# Altium PCB PV Refridgerator v0.1.0.PCBDOC (part 1 of 2)
Units mil, origin at the board's own origin, x right, y up, seen from the top; angles counter-clockwise.
Board outline 6000 x 6000 mil, 2 copper layers (Top Layer, Bottom Layer); 137 components, 98 nets, 385 pads, 105 vias.
Unrouted connection lines stored in the file: 4.
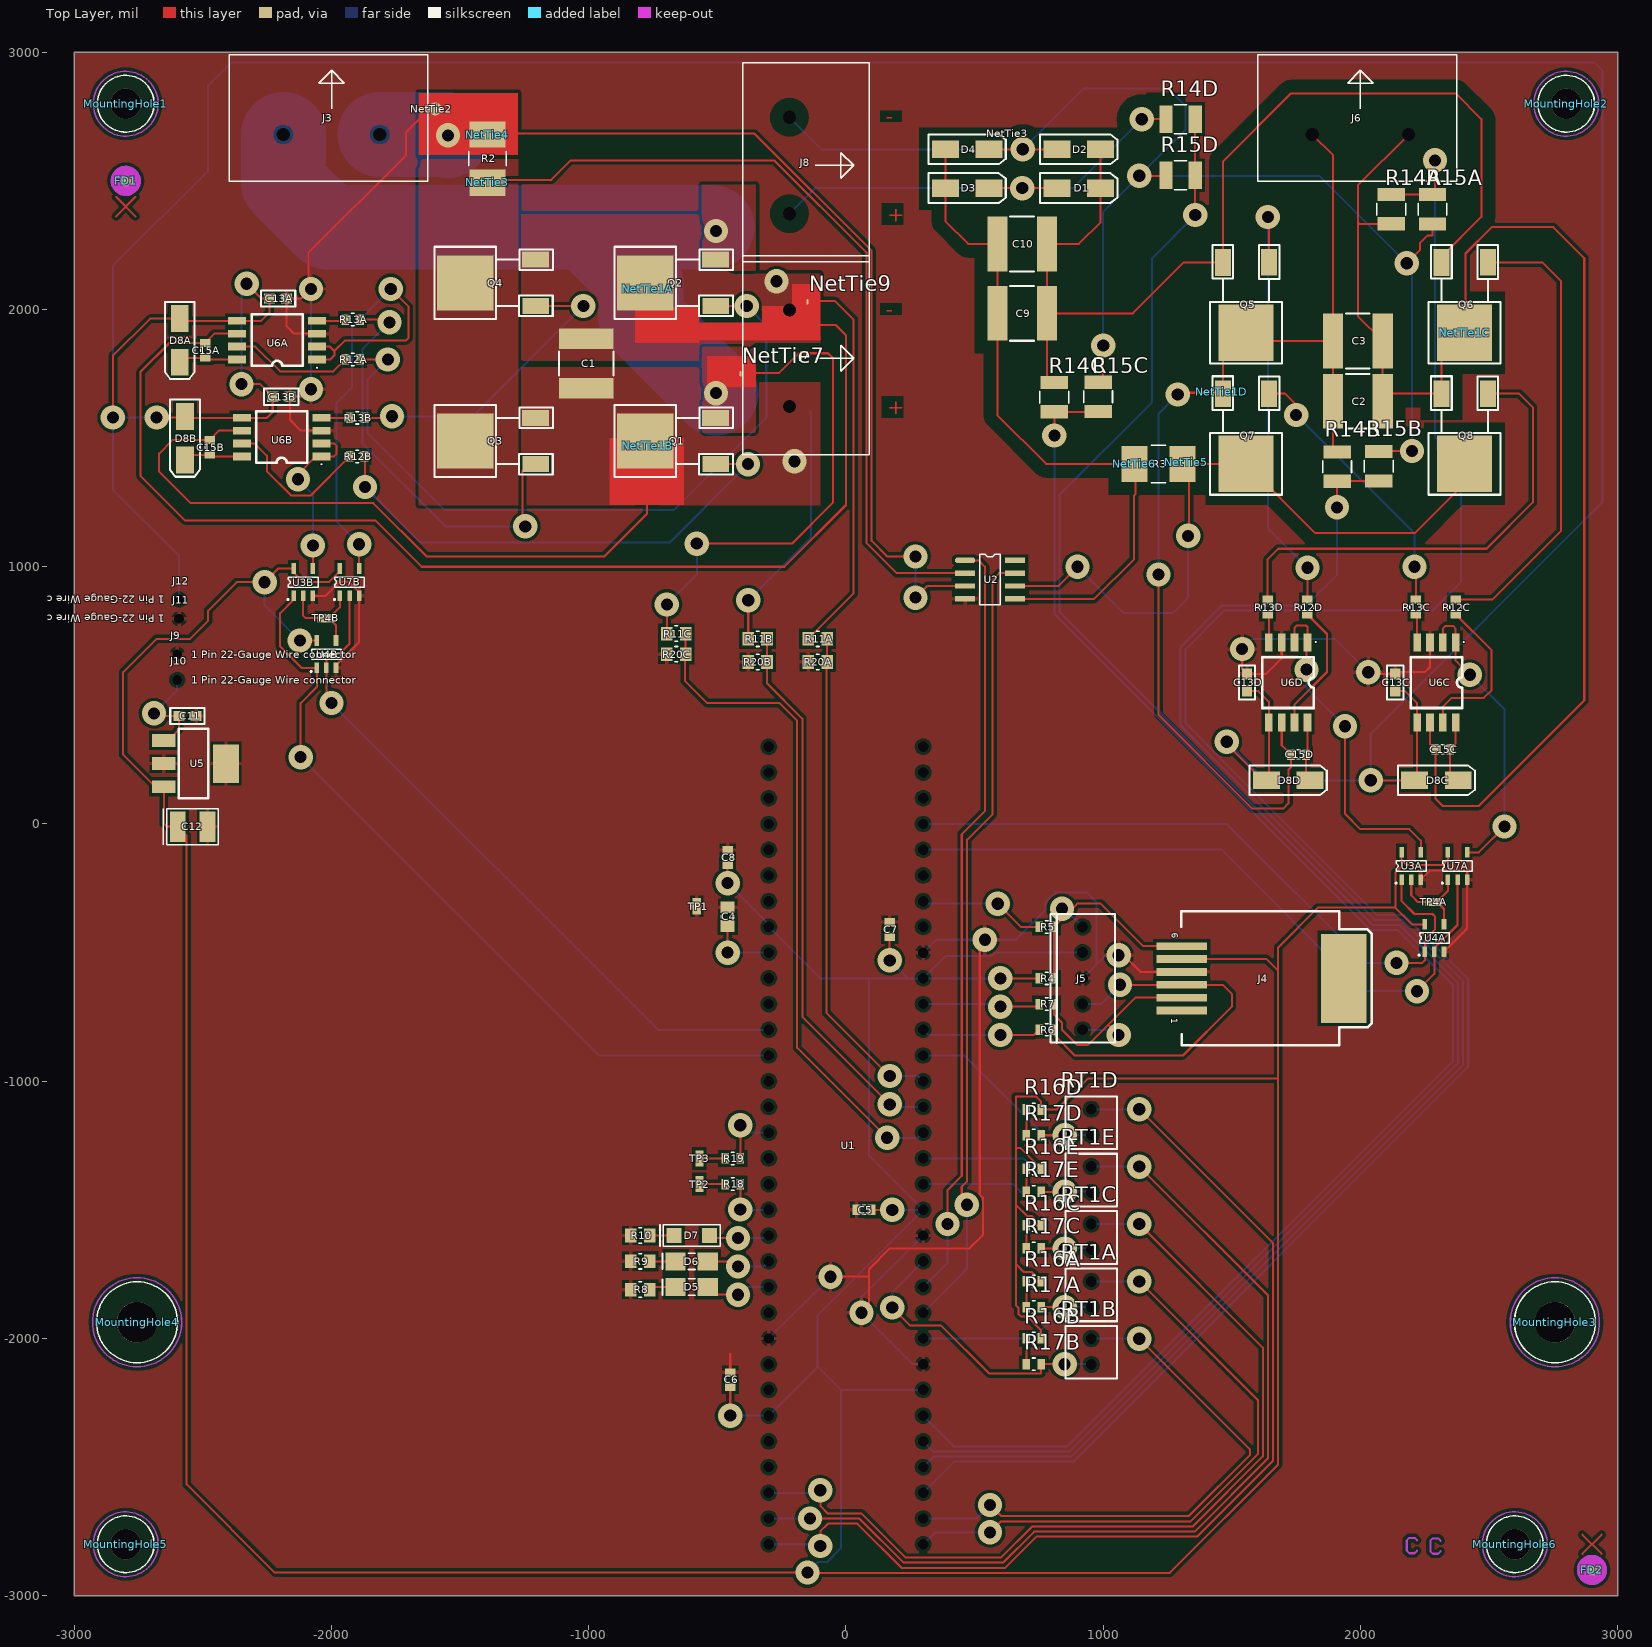
[diagram p0: Top Layer view]
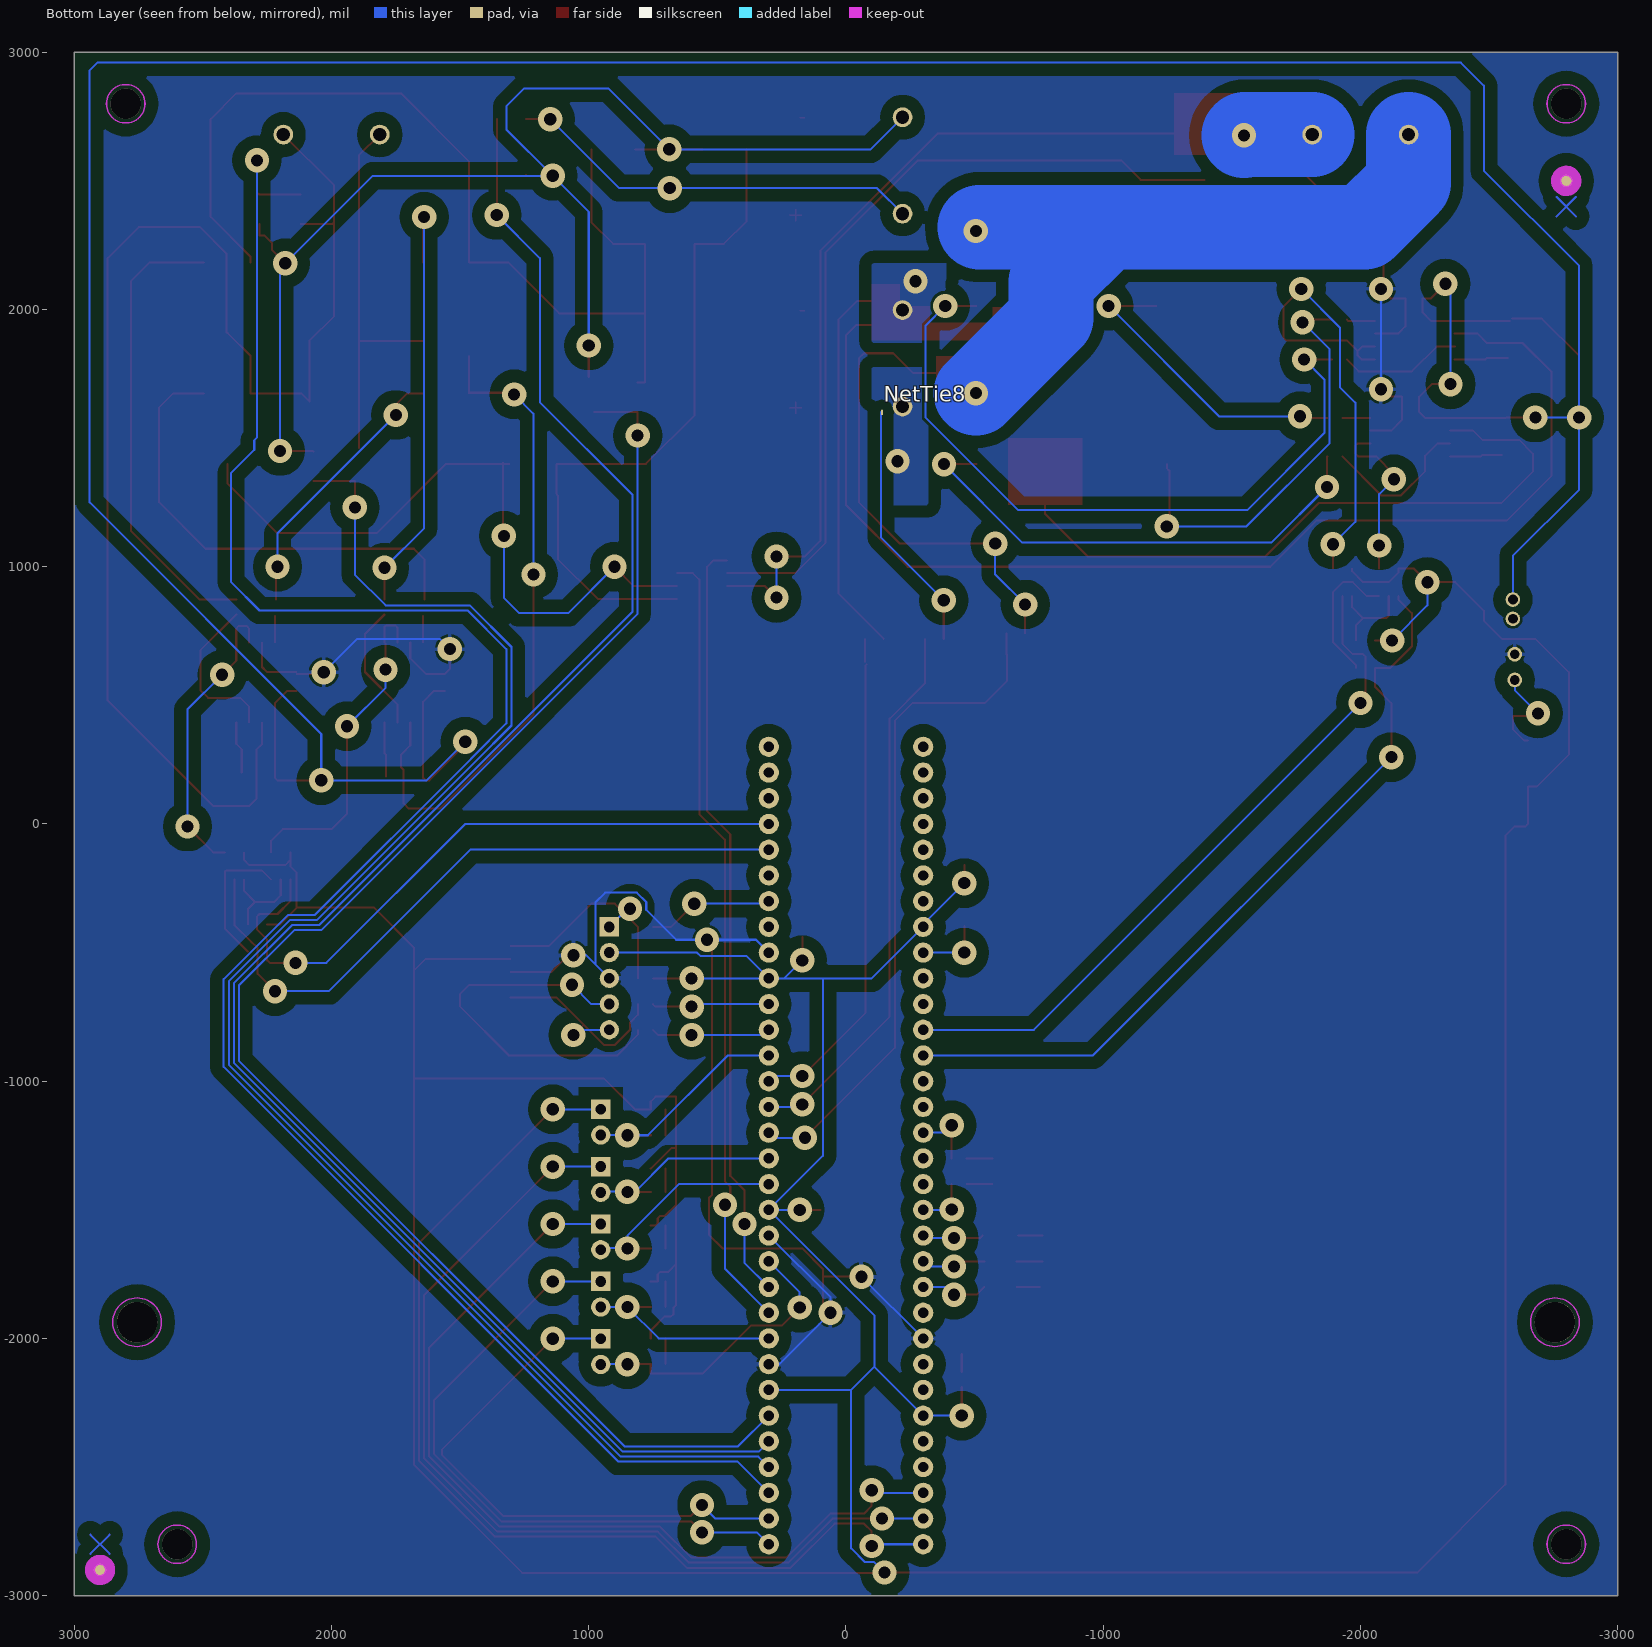
[diagram p1: Bottom Layer view, seen from below]

## Layer stack, top to bottom
Top Solder: solder mask 0.4, Solder Resist, Dk 3.5
Top Layer: signal copper 1.4
Dielectric1: core 12.6, FR-4, Dk 4.8
Bottom Layer: signal copper 1.4
Bottom Solder: solder mask 0.4, Solder Resist, Dk 3.5

## Board outline
-3000,-3000 -3000,3000 3000,3000 3000,-3000

## Design rules (kind name [scope] priority, off if disabled: settings)
AssemblyTestpoint [All] p1: testpointundercomponent=TRUE minsize=40 maxsize=100 preferedsize=60 minholesize=0 maxholesize=40 preferedholesize=32 testpointgrid=1 usegrid=FALSE gridtolerance=0.01 allowsidebottom=TRUE
Clearance "High Voltage (171-250V) Clearance" [InNetClass('171-250V')] p1: gap=49.21
Clearance "Tracks -VT1.P" [InNet('-VT1.P') vs InNet('NetC15A_2')          or InNet('NetNetTie9_1')] p2: gap=-49.21
Clearance "Tracks +VT1.P" [InNet('+VT1.P') vs InNet('NetC15b_2')  or InNet('NetNetTie8_1')] p3: gap=-49.21
Clearance "Tracks +Vsolar" [InNet('+VSOLAR') vs InNet('NetNetTie7_1')] p4: gap=-49.21
Clearance Tracks [All] p5: gap=11.81
ComponentClearance "Fiducials and labels" [HasFootprint('Date Code Label') OR HasFootprint('Fiducial - Top Only') or HasFootprint('1 Pin 14-Gauge Wire Connector') OR HasFootprint('1 Pin 22-Gauge Wire Connector')] p1: gap=-1000 collisioncheckmode=3 verticalgap=5 showdistances=TRUE
ComponentClearance [All] p2: gap=5 collisioncheckmode=3 verticalgap=5 showdistances=TRUE
FabricationTestpoint [All] p1: side=2 testpointundercomponent=TRUE minsize=40 maxsize=100 preferedsize=60 minholesize=0 maxholesize=40 preferedholesize=32 testpointgrid=1 allowsidebottom=TRUE usegrid=FALSE gridtolerance=0.01
HoleSize "Eric Au HoleSize" [All] p1: absolutevalues=TRUE maxlimit=100 minlimit=47.24 maxpercent=80.000 minpercent=20.000
HoleSize "OSH Park Hole Size" [All] p2: absolutevalues=TRUE maxlimit=1000 minlimit=13 maxpercent=80.000 minpercent=20.000
HoleSize "Sunstone Hole Size" [All] p3: absolutevalues=TRUE maxlimit=251 minlimit=16 maxpercent=80.000 minpercent=20.000
MinimumAnnularRing [All] p1: minimumring=7 // OSH Park
MinimumSolderMaskSliver [(InComponentClass('Inside Board Components'))] p1: minsoldermaskwidth=0
NetAntennae "Guard Ring" [InNet('GUARD RING')] p1: netantennaetolerance=72738
NetAntennae [All] p2: netantennaetolerance=0
PolygonConnect "Hi-Power Polygon" [InNetClass('15A')] p1: connectstyle=Direct reliefconductorwidth=10 reliefentries=4 polygonreliefangle="45 Angle" airgapwidth=10
PolygonConnect [All] p2: connectstyle=Relief reliefconductorwidth=15 reliefentries=4 polygonreliefangle="90 Angle" airgapwidth=10
RoomDefinition "Vsense Thermistor2" [InComponentClass('Vsense Thermistor2')] p1: confinementstyle=ConfineIn formatcopy=TRUE lockcomponents=FALSE outline -21811.73,-24801 -19811.73,-24801 -19811.73,-23801 -21811.73,-23801
RoomDefinition "Vsense Thermistor1" [InComponentClass('Vsense Thermistor1')] p2: confinementstyle=ConfineIn formatcopy=TRUE lockcomponents=FALSE outline -21811.73,-24801 -19811.73,-24801 -19811.73,-23801 -21811.73,-23801
RoomDefinition "15VDC Powersupply" [InComponentClass('15VDC Powersupply')] p3: confinementstyle=ConfineIn formatcopy=TRUE lockcomponents=FALSE outline 3048.27,-2571 3438.27,-2571 3438.27,-2251 3048.27,-2251
RoomDefinition "Vsense Thermistor5" [InComponentClass('Vsense Thermistor5')] p4: confinementstyle=ConfineIn formatcopy=TRUE lockcomponents=FALSE outline 3177.27,-5467.93 3177.27,-5314.07 3741.27,-5314.07 3741.27,-5283.03 4085.27,-5283.03 4085.27,-5388.97 3703.26,-5388.97 3703.26,-5565 3459.77,-5565 3459.77,-5467.93
RoomDefinition "Vsense Thermistor4" [InComponentClass('Vsense Thermistor4')] p5: confinementstyle=ConfineIn formatcopy=TRUE lockcomponents=FALSE outline 3177.27,-5902.93 3177.27,-5749.07 3741.27,-5749.07 3741.27,-5718.03 4085.27,-5718.03 4085.27,-5823.97 3703.26,-5823.97 3703.26,-6000 3459.77,-6000 3459.77,-5902.93
RoomDefinition "Vsense Thermistor3" [InComponentClass('Vsense Thermistor3')] p6: confinementstyle=ConfineIn formatcopy=TRUE lockcomponents=FALSE outline 3177.27,-6337.93 3177.27,-6184.07 3741.27,-6184.07 3741.27,-6153.03 4085.27,-6153.03 4085.27,-6258.97 3703.26,-6258.97 3703.26,-6435 3459.77,-6435 3459.77,-6337.93
RoomDefinition "Vsense 0-2234" [InComponentClass('Vsense 0-2234')] p7: confinementstyle=ConfineIn formatcopy=TRUE lockcomponents=FALSE outline 538.26,-6383.59 538.26,-6279.1 2651.81,-6279.1 2651.81,-6355.1 705.74,-6355.1 705.74,-6383.59
RoomDefinition "Vsense 0-2233" [InComponentClass('Vsense 0-2233')] p8: confinementstyle=ConfineIn formatcopy=TRUE lockcomponents=FALSE outline 370.79,-6383.59 370.79,-6279.1 2244,-6279.1 2244,-6355.1 538.26,-6355.1 538.26,-6383.59
RoomDefinition "Vsense 0-2232" [InComponentClass('Vsense 0-2232')] p9: confinementstyle=ConfineIn formatcopy=TRUE lockcomponents=FALSE outline -895.21,-6415.04 -895.21,-6279.1 1040.69,-6279.1 1040.69,-6383.59 -743.21,-6383.59 -743.21,-6415.04
RoomDefinition "Vsense 0-2231" [InComponentClass('Vsense 0-2231')] p10: confinementstyle=ConfineIn formatcopy=TRUE lockcomponents=FALSE outline -3100,-6585.7 -3100,-6509.7 705.74,-6509.7 705.74,-6279.1 2379.94,-6279.1 2379.94,-6355.1 873.22,-6355.1 873.22,-6383.59 873.22,-6585.7 -2964.06,-6585.7
RoomDefinition "Vsense 0-69.3V1" [InComponentClass('Vsense 0-69.3V1')] p11: confinementstyle=ConfineIn formatcopy=TRUE lockcomponents=FALSE outline -186.93,509 -186.93,591 -177.97,591 -177.97,758 -42.03,758 -42.03,591 -33.07,591 -33.07,509
RoomDefinition Transformer [InComponentClass('Transformer')] p12: confinementstyle=ConfineIn formatcopy=TRUE lockcomponents=FALSE outline -1867.5,3008.75 -1867.5,5831.25 1523.75,5831.25 1523.75,3008.75 98.52,3008.75 98.52,1428.1 -408.6,1428.1 -408.6,3008.75
RoomDefinition "Safety Logic2" [InComponentClass('Safety Logic2')] p13: confinementstyle=ConfineIn formatcopy=TRUE lockcomponents=FALSE outline -2180,857.18 -2180,1022.82 -1864.49,1022.82 -1864.49,857.18 -1954.49,857.18 -1954.49,577.18 -2090,577.18 -2090,857.18
RoomDefinition "Safety Logic1" [InComponentClass('Safety Logic1')] p14: confinementstyle=ConfineIn formatcopy=TRUE lockcomponents=FALSE outline 2127.4,-245.97 2127.4,-80.33 2442.91,-80.33 2442.91,-245.97 2352.91,-245.97 2352.91,-525.97 2217.4,-525.97 2217.4,-245.97
RoomDefinition Microcontroller [InComponentClass('Microcontroller')] p15: confinementstyle=ConfineIn formatcopy=TRUE lockcomponents=FALSE outline -2964.06,-6582.7 -2964.06,-6509.7 -507.5,-6509.7 -507.5,507.5 507.5,507.5 507.5,-6279.1 1700.25,-6279.1 1700.25,-6360.09 -269.21,-6360.09 -269.21,-6385.04 -269.21,-6568.7 -1284.69,-6568.7 -2828.06,-6568.7 -2828.06,-6582.7
RoomDefinition ICSP [InComponentClass('ICSP')] p16: confinementstyle=ConfineIn formatcopy=TRUE lockcomponents=FALSE outline 447.03,-832 447.03,-268 552.97,-268 552.97,-329.96 1934.21,-329.96 1934.21,-870.04 1077.61,-870.04 1077.61,-860 665,-860 665,-832
RoomDefinition "Half H-Bridge Driver4" [InComponentClass('Half H-Bridge Driver4')] p17: confinementstyle=ConfineIn formatcopy=TRUE lockcomponents=FALSE outline 1451.5,1664.5 1451.5,1695.5 1468.5,1695.5 1468.5,896.43 1826,896.43 1826,760 1852.11,760 1852.11,239 1878,239 1878,101 1560,101 1560,473.07 1518,473.07 1451.5,473.07
RoomDefinition "Half H-Bridge Driver3" [InComponentClass('Half H-Bridge Driver3')] p18: confinementstyle=ConfineIn formatcopy=TRUE lockcomponents=FALSE outline 2094.35,473.07 2094.35,626.93 2182.87,626.93 2182.87,760 2183.35,760 2183.35,896.43 2389.5,896.43 2389.5,1918.5 2420.5,1918.5 2420.5,760 2428.46,760 2428.46,239 2454.35,239 2454.35,101 2136.35,101 2136.35,473.07
RoomDefinition "Half H-Bridge Driver2" [InComponentClass('Half H-Bridge Driver2')] p19: confinementstyle=ConfineIn formatcopy=TRUE lockcomponents=FALSE outline -2639,1341 -2639,1659 -2271.93,1659 -2271.93,1702 -2118.07,1702 -2118.07,1616.48 -1984,1616.48 -1984,1611 -1847.57,1611 -1847.57,1478.5 -754.5,1478.5 -754.5,1461.5 -1847.57,1461.5 -1847.57,1397 -1984,1397 -1984,1370.89 -2501,1370.89 -2501,1341
RoomDefinition "Half H-Bridge Driver1" [InComponentClass('Half H-Bridge Driver1')] p20: confinementstyle=ConfineIn formatcopy=TRUE lockcomponents=FALSE outline -2659,1721 -2659,2039 -2284.93,2039 -2284.93,2084 -785.5,2084 -785.5,2088.5 -754.5,2088.5 -754.5,2071.5 -1865.1,2071.5 -1865.1,1774 -2001.54,1774 -2001.54,1747.89 -2521,1747.89 -2521,1721
RoomDefinition "3.3VDC Powersupply" [InComponentClass('3.3VDC Powersupply')] p21: confinementstyle=ConfineIn formatcopy=TRUE lockcomponents=FALSE outline -2854.41,-6279.1 -2854.41,-5907.1 -2564.41,-5907.1 -2564.41,-6279.1 1348.41,-6279.1 1348.41,-6361.1 -1992.69,-6361.1 -1992.69,-6434.1 -2222.69,-6434.1 -2854.41,-6434.1
RoomDefinition "Vsense (0-69.3V)" [InComponentClass('Vsense (0-69.3V)')] p22: confinementstyle=ConfineIn formatcopy=TRUE lockcomponents=FALSE outline -1992.69,-6432.96 -1992.69,-6279.1 -13.21,-6279.1 -13.21,-6385.04 -515.21,-6385.04 -515.21,-6415.04 -1910.69,-6415.04 -1910.69,-6432.96
RoomDefinition "Vsense 0-69.3V2" [InComponentClass('Vsense 0-69.3V2')] p23: confinementstyle=ConfineIn formatcopy=TRUE lockcomponents=FALSE outline -420.46,509 -420.46,591 -411.5,591 -411.5,758 -275.56,758 -275.56,591 -266.6,591 -266.6,509
RoomDefinition "RGB LED" [InComponentClass('RGB LED')] p24: confinementstyle=ConfineIn formatcopy=TRUE lockcomponents=FALSE outline -743.21,-6415.04 -743.21,-6279.1 172.32,-6279.1 172.32,-5907.1 1800.77,-5907.1 1800.77,-6279.1 2515.87,-6279.1 2515.87,-6355.1 -667.21,-6355.1 -667.21,-6415.04
RoomDefinition "High Voltage H-Bridge" [InComponentClass('High Voltage H-Bridge')] p25: confinementstyle=ConfineIn formatcopy=TRUE lockcomponents=FALSE outline 1405,1270 1405,2259.7 2555,2259.7 2555,1270
RoomDefinition "High Current H-Bridge" [InComponentClass('High Current H-Bridge')] p26: confinementstyle=ConfineIn formatcopy=TRUE lockcomponents=FALSE outline -1610,1339 -1610,2254 -430.3,2254 -430.3,1339
RoomDefinition "Full-Wave Rectifier" [InComponentClass('Full-Wave Rectifier')] p27: confinementstyle=ConfineIn formatcopy=TRUE lockcomponents=FALSE outline 312,2403 312,2692 1064,2692 1064,2403 829.83,2403 829.83,1869.7 540.17,1869.7 540.17,2403
RoomDefinition "Current Sense" [InComponentClass('Current Sense')] p28: confinementstyle=ConfineIn formatcopy=TRUE lockcomponents=FALSE outline -1474.7,2432.93 -1474.7,2740.3 -1312.7,2740.3 -1312.7,1481 1368.69,1481 1368.69,1319 968.5,1319 968.5,-2865.5 951.5,-2865.5 951.5,843.57 414.98,843.57 -1474.7,843.57
RoutingPriority Hi-Power [InNetClass('Hi-Power')] p1: routingpriority=0
RoutingPriority "Non-Hi-Power Tracks" [All] p2: routingpriority=1
RoutingTopology "Analog Routing Topology" [InNet('ANALOG GROUND')] p1: topology=Starburst
RoutingTopology [All] p2: topology=Shortest
RoutingVias "Hi-Power Vias" [InNetClass('Hi-Power')] p1: holewidth=64.96 width=104.33 viastyle="Through Hole" minholewidth=64.96 minwidth=104.33 maxholewidth=64.96 maxwidth=104.33
RoutingVias "Signal/Power Vias" [All] p2: holewidth=47.24 width=94.49 viastyle="Through Hole" minholewidth=47.24 minwidth=94.49 maxholewidth=47.24 maxwidth=94.49
SMDNeckDown SMDNeckDown_1 [InNetClass('Power')] p1: percent=5000.000
SMDNeckDown [InNetClass('Extreme Hi-Power')] p2: percent=5000.000
ShortCircuit "Ground Short Circuit" [InNet('BRIDGE GROUND')      or InNet('GROUND') vs InNet('BRIDGE GROUND')      or InNet('GROUND')] p1: allowed=TRUE
ShortCircuit "ShortCircuit -VT1.P" [InNet('-VT1.P') vs InNet('NetC15A_2')          or InNet('NetNetTie9_1')] p2: allowed=TRUE
ShortCircuit "ShortCircuit +VT1.P" [InNet('+VT1.P') vs InNet('NetC15b_2')  or InNet('NetNetTie8_1')] p3: allowed=TRUE
ShortCircuit "ShortCircuit C_Vs" [InNet('C_VS') vs InNet('NetC15D_2')] p4: allowed=TRUE
ShortCircuit "ShortCircuit D_Vs" [InNet('D_VS') vs InNet('NetC15C_2')] p5: allowed=TRUE
ShortCircuit "ShortCircuit +Vsolar" [InNet('+VSOLAR') vs InNet('NetNetTie7_1')] p6: allowed=TRUE
ShortCircuit [All] p7: allowed=FALSE
SilkToSilkClearance [All] p1: silktosilkclearance=0
SilkToSolderMaskClearance SilkscreenOverComponentPads [IsPad] p1: minsilkscreentomaskgap=0 clearancetoexposedcopper=TRUE
SolderMaskExpansion Vias [IsVia] p1: expansion=-2
SolderMaskExpansion "Everything else" [All] p2: expansion=4
UnpouredPolygon [All] p1: allowunpoured=FALSE
Width "High Current Width" [InNetClass('15A')] p1: maxlimit=9999 minlimit=330 preferedwidth=330 checkconnectedcopper=TRUE
Width "Signal trace width" [All] p2: maxlimit=9999 minlimit=7.87 preferedwidth=7.87 checkconnectedcopper=TRUE
18 further rules are at their usual default settings.

## Classes and differential pairs
channel class "Vsense Thermistor": VsenseThermistor1 VsenseThermistor2 VsenseThermistor3 VsenseThermistor4 VsenseThermistor5
component class "Vsense Thermistor5": R16E R17E RT1E
component class "Vsense Thermistor4": R16D R17D RT1D
component class "Vsense Thermistor3": R16C R17C RT1C
component class "Vsense Thermistor2": R16B R17B RT1B
component class "Vsense Thermistor1": R16A R17A RT1A
component class "Vsense 0-2234": R14D R15D
component class "Vsense 0-2233": R14C R15C
component class "Vsense 0-2232": R14B R15B
component class "Vsense 0-2231": R14A R15A
component class "3.3VDC Powersupply": C11 C12 J9 J10 U5
channel class "Safety Logic": "Safety Logic1" "Safety Logic2"
component class "Vsense 0-69.3V1": R11A R20A
component class "Safety Logic2": TP4B U3B U4B U7B
component class "Safety Logic1": TP4A U3A U4A U7A
component class "Half H-Bridge Driver4": C13D C15D D8D NetTie1D R12D R13D U6D
component class "Half H-Bridge Driver3": C13C C15C D8C NetTie1C R12C R13C U6C
component class "Half H-Bridge Driver2": C13B C15B D8B NetTie1B R12B R13B U6B
component class "Half H-Bridge Driver1": C13A C15A D8A NetTie1A R12A R13A U6A
component class "Current Sense": NetTie3 NetTie4 NetTie5 NetTie6 R2 R3 U2
component class "Full-Wave Rectifier": C9 C10 D1 D2 D3 D4
component class "High Current H-Bridge": C1 Q1 Q2 Q3 Q4
component class "High Voltage H-Bridge": C2 C3 Q5 Q6 Q7 Q8
component class ICSP: J4 J5 R4 R5 R6 R7
component class Microcontroller: C4 C5 C6 C7 C8 R18 R19 TP1 TP2 TP3 U1
component class Overview: FD1 FD2 J3 J6 MountingHole1 MountingHole2 MountingHole3 MountingHole4 MountingHole5 MountingHole6 NetTie2 NetTie3 NetTie7 NetTie8 NetTie9
component class "Vsense 0-69.3V2": R11B R20B
component class "RGB LED": D5 D6 D7 R8 R9 R10
component class Transformer: J7 J8 Transformer1
component class "Vsense (0-69.3V)": R11C R20C
net class 15A: 0V +VSOLAR +VT1.P -VT1.P NetNetTie3_2
net class 171-250V: "+DC BUS" +VT1.S "-DC BUS" C_VS D_VS HVGND NetNetTie5_2
channel class "Half H-Bridge Driver": "Half H-Bridge Driver1" "Half H-Bridge Driver2" "Half H-Bridge Driver3" "Half H-Bridge Driver4"
channel class "Vsense 0-69.3V": "Vsense (0-69.3V)"
component class "15VDC Powersupply": J11 J12

## Components (designator, comment, footprint, x,y, rotation, side; value= is the part's Value field where it differs from the comment)
C1 "1uF 2220 450V" "C2220 - Ceramic" -1010,1790 r90 top
C2 "1uF 2220 450V" "C2220 - Ceramic" 1990,1643 r0 top
C3 "1uF 2220 450V" "C2220 - Ceramic" 1990,1878 r0 top
C4 "10uF 0805 10V" "C0805 - Ceramic" -460,-360 r90 top
C5 "100nF 0603 50V" "C0603 - Ceramic" 70,-1500 r180 top
C6 "100nF 0603 50V" "C0603 - Ceramic" -450,-2160 r90 top
C7 "100nF 0603 50V" "C0603 - Ceramic" 170,-410 r90 top
C8 "100nF 0603 50V" "C0603 - Ceramic" -460,-130 r90 top
C9 "1uF 2220 450V" "C2220 - Ceramic" 685,1985 r0 top
C10 "1uF 2220 450V" "C2220 - Ceramic" 685,2255 r0 top
C11 "100nF 0603 50V" "Capacitor - 0603 Ceramic" -2560,420 r0 top
C12 "1206" "Capacitor - 1210 Tantalum" -2540,-10 r0 top
C13A "1uF 0603 25V" "Capacitor - 0603 Ceramic" -2208,2043 r0 top (schematic designator C13)
C13B "1uF 0603 25V" "Capacitor - 0603 Ceramic" -2195,1661 r0 top (schematic designator C13)
C13C "1uF 0603 25V" "Capacitor - 0603 Ceramic" 2135.35,550 r90 top (schematic designator C13)
C13D "1uF 0603 25V" "Capacitor - 0603 Ceramic" 1559,550 r90 top (schematic designator C13)
C15A "100nF 0603 50V" "C0603 - Ceramic" -2491.54,1841 r90 top (schematic designator C15)
C15B "100nF 0603 50V" "C0603 - Ceramic" -2474,1464 r90 top (schematic designator C15)
C15C "100nF 0603 50V" "C0603 - Ceramic" 2320,290 r180 top (schematic designator C15)
C15D "100nF 0603 50V" "C0603 - Ceramic" 1759,270 r180 top (schematic designator C15)
D1 "" "SMA - Diode" 905,2472 r0 top
D2 "" "SMA - Diode" 905,2623 r0 top
D3 "" "SMA - Diode" 471,2472 r0 top
D4 "" "SMA - Diode" 471,2623 r0 top
D5 "Red LED 1206" "LED - 1206 Red" -600,-1800 r180 top
D6 "Green LED 1206" "LED - 1206 Green" -600,-1700 r180 top
D7 "Blue LED 1206" "LED - 1206 Blue" -600,-1600 r180 top
D8A "" "SMA - Diode" -2590,1880 r270 top (schematic designator D8)
D8B "" "SMA - Diode" -2570,1500 r270 top (schematic designator D8)
D8C "" "SMA - Diode" 2295.35,170 r0 top (schematic designator D8)
D8D "" "SMA - Diode" 1719,170 r0 top (schematic designator D8)
FD1 "Fiducial, Double Sided" "Fiducial - Double sided" -2800,2500 r0 top locked
FD2 "Fiducial, Double Sided" "Fiducial - Double sided" 2900,-2900 r0 top locked
J3 "Terminal Block - 2-Position HiV/HiA" "TE 796739-2" -2000,2680 r0 top
J4 "RJ12 Verticle SMT" "Connector- RJ12 Vertical SMT" 1620,-600 r270 top
J5 "MTA100 - 5-Pin with friction Lock" "Connector - MTA-100 5 Position" 920,-600 r270 top
J6 "Terminal Block - 2-Position HiV/HiA" "TE 796739-2" 2000,2680 r0 top
J7 "Terminal Block - 2-Position HiV/HiA" "TE 796739-2" -220,1810.39 r270 top locked
J8 "Terminal Block - 2-Position HiV/HiA" "TE 796739-2" -220,2560 r270 top locked
J9 "1 Pin 22-Gauge Wire connector" "1 Pin 22-Gauge Wire Connector" -2600,660 r0 top
J10 "1 Pin 22-Gauge Wire connector" "1 Pin 22-Gauge Wire Connector" -2600,560 r0 top
J11 "1 Pin 22-Gauge Wire connector" "1 Pin 22-Gauge Wire Connector" -2592.5,797.5 r180 top
J12 "1 Pin 22-Gauge Wire connector" "1 Pin 22-Gauge Wire Connector" -2592.5,872.5 r180 top
MountingHole1 "M3 Tooling Holes" "M3 Screw - One Sided" -2800,2800 r90 top locked
MountingHole2 "Mounting Hole" "M3 Screw - One Sided" 2800,2800 r90 top locked
MountingHole3 "Mounting Hole" "M4 Screw - One Sided" 2755.91,-1937.01 r90 top locked
MountingHole4 "M4 Mounting Hole" "M4 Screw - One Sided" -2755.91,-1937.01 r90 top locked
MountingHole5 "Mounting Hole" "M3 Screw - One Sided" -2800,-2800 r90 top locked
MountingHole6 "Mounting Hole" "M3 Screw - One Sided" 2600,-2800 r90 top locked
NetTie1A "Net Tie" "Net tie (7/7 mil)" -770,2080 r0 top net-tie (schematic designator NetTie1)
NetTie1B "Net Tie" "Net tie (7/7 mil)" -770,1470 r180 top net-tie (schematic designator NetTie1)
NetTie1C "Net Tie" "Net tie (7/7 mil)" 2405,1910 r0 top net-tie (schematic designator NetTie1)
NetTie1D "Net Tie" "Net tie (7/7 mil)" 1460,1680 r270 top net-tie (schematic designator NetTie1)
NetTie2 "Net Tie" "Net tie (7/50 mil)" -1610,2780 r180 top net-tie
NetTie3 "Net Tie" "Net tie (7/7 mil)" 550,2640 r0 top net-tie
NetTie3 "Net Tie" "Net tie (7/35 mil)" -1393.7,2484.25 r90 top net-tie
NetTie4 "Net Tie" "Net tie (7/7 mil)" -1393.7,2680.12 r90 top net-tie
NetTie5 "Net Tie" "Net tie (7/35 mil)" 1313.69,1406 r0 top net-tie
NetTie6 "Net Tie" "Net tie (7/7 mil)" 1121.5,1400 r0 top net-tie
NetTie7 "Net Tie" "Net tie (7/7 mil)" -410,1750 r90 top net-tie
NetTie8 "Net Tie" "Net tie (7/7 mil)" -140,1600 r90 bottom net-tie
NetTie9 "Net Tie" "Net tie (7/7 mil)" -150,2030 r90 top net-tie
Q1 "N-MOSFET - 66A/25V" DPAK -780,1489 r90 top
Q2 "N-MOSFET - 66A/25V" DPAK -780,2104 r90 top
Q3 "N-MOSFET - 66A/25V" DPAK -1480,1489 r90 top
Q4 "N-MOSFET - 66A/25V" DPAK -1480,2104 r90 top
Q5 "N-MOSFET - 66A/25V" DPAK 1555,1910 r180 top
Q6 "N-MOSFET - 66A/25V" DPAK 2405,1910 r180 top
Q7 "N-MOSFET - 66A/25V" DPAK 1555,1400 r180 top
Q8 "N-MOSFET - 66A/25V" DPAK 2405,1400 r180 top
R2 "Template - Resistor" R2512 -1393.7,2586.61 r270 top
R3 "" R2512 1215,1400 r0 top
R4 "10k 0603 1%" R0603 780,-600 r0 top
R5 "100R 0603 1%" R0603 780,-400 r180 top
R6 "100R 0603 1%" R0603 780,-800 r180 top
R7 "100R 0603 1%" R0603 780,-700 r180 top
R8 "255R 0805 1%" R0805 -800,-1810 r0 top
R9 "255R 0805 1%" R0805 -800,-1700 r0 top
R10 "255R 0805 1%" R0805 -800,-1600 r0 top
R11A "Template - Resistor" R0805 -110,720 r180 top (schematic designator R11)
R11B "Template - Resistor" R0805 -343.53,720 r180 top (schematic designator R11)
R11C "Template - Resistor" R0805 -660,740 r180 top (schematic designator R11)
R12A "Template - Resistor" R0603 -1918.07,1806 r0 top (schematic designator R12)
R12B "Template - Resistor" R0603 -1900.54,1429 r0 top (schematic designator R12)
R12C "Template - Resistor" R0603 2370.35,843.47 r90 top (schematic designator R12)
R12D "Template - Resistor" R0603 1794,843.46 r90 top (schematic designator R12)
R13A "Template - Resistor" R0603 -1918.07,1961 r0 top (schematic designator R13)
R13B "Template - Resistor" R0603 -1900.54,1579 r0 top (schematic designator R13)
R13C "Template - Resistor" R0603 2215.35,843.47 r90 top (schematic designator R13)
R13D "Template - Resistor" R0603 1639,843.46 r90 top (schematic designator R13)
R14A "Template - Resistor" R1210 2120,2390 r270 top (schematic designator R14)
R14B "Template - Resistor" R1210 1909.17,1390 r90 top (schematic designator R14)
R14C "Template - Resistor" R1210 810,1660 r90 top (schematic designator R14)
R14D "Template - Resistor" R1210 1300,2740 r180 top (schematic designator R14)
R15A "Template - Resistor" R1210 2280,2390 r90 top (schematic designator R15)
R15B "Template - Resistor" R1210 2070.83,1390 r270 top (schematic designator R15)
R15C "Template - Resistor" R1210 980,1660 r270 top (schematic designator R15)
R15D "Template - Resistor" R1210 1300.96,2522 r0 top (schematic designator R15)
R16A "Template - Resistor" R0603 730,-1778 r0 top (schematic designator R16)
R16B "Template - Resistor" R0603 730,-2000 r0 top (schematic designator R16)
R16C "Template - Resistor" R0603 730,-1560 r0 top (schematic designator R16)
R16D "Template - Resistor" R0603 730,-1110 r0 top (schematic designator R16)
R16E "Template - Resistor" R0603 730,-1340 r0 top (schematic designator R16)
R17A "Template - Resistor" R0603 730,-1878 r180 top (schematic designator R17)
R17B "Template - Resistor" R0603 730,-2100 r180 top (schematic designator R17)
R17C "Template - Resistor" R0603 730,-1650 r180 top (schematic designator R17)
R17D "Template - Resistor" R0603 730,-1210 r180 top (schematic designator R17)
R17E "Template - Resistor" R0603 730,-1430 r180 top (schematic designator R17)
R18 "100R 0603 1%" R0603 -440,-1400 r180 top
R19 "100R 0603 1%" R0603 -440,-1300 r180 top
R20A "Template - Resistor" R0805 -110,630 r0 top (schematic designator R20)
R20B "Template - Resistor" R0805 -343.53,630 r0 top (schematic designator R20)
R20C "Template - Resistor" R0805 -660,660 r0 top (schematic designator R20)
RT1A "Tº" "Connector - MTA-100 2 Position Friction Lock" 953.5,-1828 r90 top (schematic designator RT1)
RT1B "Tº" "Connector - MTA-100 2 Position Friction Lock" 953.5,-2051 r90 top (schematic designator RT1)
RT1C "Tº" "Connector - MTA-100 2 Position Friction Lock" 953.5,-1605 r90 top (schematic designator RT1)
RT1D "Tº" "Connector - MTA-100 2 Position Friction Lock" 953.5,-1159 r90 top (schematic designator RT1)
RT1E "Tº" "Connector - MTA-100 2 Position Friction Lock" 953.5,-1382 r90 top (schematic designator RT1)
TP1 "Test Clip" "SMT Test Clip" -580,-320 r90 top
TP2 "Test Clip" "SMT Test Clip" -570,-1400 r90 top
TP3 "Test Clip" "SMT Test Clip" -570,-1300 r90 top
TP4A "Test Clip" "SMT Test Clip" 2285.15,-303.15 r0 top (schematic designator TP4)
TP4B "Test Clip" "SMT Test Clip" -2022.25,800 r0 top (schematic designator TP4)
Transformer1 "Transformer" Transformer -200,4420 r90 top
U1 "PIC24FJ256GA106 Microprocessor" "TQFP-64 0.5mm Breakout Board" 300,300 r180 top locked
U2 "Dual High Side Current Sense Amplifier" "SOIC-8 (3.9mm)" 560,950 r270 top
U3A "Single XOR Logic Gate" SOT23-5 2197.4,-163.15 r0 top (schematic designator U3)
U3B "Single XOR Logic Gate" SOT23-5 -2110,940 r0 top (schematic designator U3)
U4A "Single AND Logic Gate" SOT23-5 2287.4,-443.15 r0 top (schematic designator U4)
U4B "Single AND Logic Gate" SOT23-5 -2020,660 r0 top (schematic designator U4)
U5 "3.3V Linear Voltage Regulator LDO" SOT223 -2528.5,235 r270 top
U6A "H-Bridge Driver" SOIC-8 -2211.54,1881 r180 top (schematic designator U6)
U6B "H-Bridge Driver" SOIC-8 -2194,1504 r180 top (schematic designator U6)
U6C "H-Bridge Driver" SOIC-8 2295.35,550 r270 top (schematic designator U6)
U6D "H-Bridge Driver" SOIC-8 1719,550 r270 top (schematic designator U6)
U7A "Single XOR Logic Gate" SOT23-5 2377.4,-163.15 r0 top (schematic designator U7)
U7B "Single XOR Logic Gate" SOT23-5 -1930,940 r0 top (schematic designator U7)

## Footprints (in the part's own frame and the unit in brackets; to place one, negate y for a bottom-side part, rotate by r counter-clockwise, add the part's x,y. Pads: shape width x height; smd on the part's side, far side on the other; paste and mask are expansions set on the pad)
"1 Pin 22-Gauge Wire Connector" [mil] "22-Guage"
  round 0 / inner round 0 / far side round 57 hole 38: 1(0,0)
"C0603 - Ceramic" [mil] "Improved footprint"
  rect 30x41 smd: 1(-29,0) 2(29,0)
  silkscreen extent -6,-18 6,17, body extent -31,-15 32,16, height 12
"C0805 - Ceramic" [mil]
  rect 45x55 smd: 1(-36.5,0) 2(36.5,0)
  silkscreen extent -6,-24 6,24, body extent -39,-25 39,25, height 31
"C2220 - Ceramic" [mm] "Chip Capacitor, 2-Leads, Body 5.75x5.00mm, IPC Medium Density"
  rect 2x5.4 smd: 1(-2.45,0) 2(2.45,0)
  silkscreen extent -1.19,-2.7 1.17,2.7, body extent -2.85,-2.5 2.85,2.5, height 2.3
"Capacitor - 0603 Ceramic" [mm] "IPC-SM-782 Compliant - Rev B 2016-06-09"
  rrect0% 1.1x1 smd: 1(-0.85,0) 2(0.85,0)
  silkscreen extent -1.7,-0.8 1.7,0.8, body extent -0.8,-0.4 0.8,0.4, height 0.3
"Capacitor - 1210 Tantalum" [mm] "Chip Capacitor, 2-Leads, Body 3.50x2.80mm, IPC Medium Density"
  rrect0% 1.55x3 smd: 1(-1.475,0) 2(1.475,0)
  silkscreen extent -2.92,-1.78 2.54,1.78, body extent -1.85,-1.46 1.85,1.47, height 2.03
"Connector - MTA-100 2 Position Friction Lock" [mil]
  rect 0x0 / inner round 60 / far side rect 75x75 hole 42 mask+5: 1(50,0)
  round 0 / inner round 60 / far side round 75 hole 42 mask+5: 2(-50,0)
  silkscreen extent -105,-100 100,100, body extent -100,-105 100,125, height 396
"Connector - MTA-100 5 Position" [mil] "Verticle"
  rect 0x0 / inner rect 0x0 / far side rect 75x75 hole 42: 1(-200,0)
  round 0 / inner round 0 / far side round 75 hole 42: 2(-100,0) 3(0,0) 4(100,0) 5(200,0)
  silkscreen extent -250,-125 250,125, body extent -251,-125 249,105, height 395
"Connector- RJ12 Vertical SMT" [mm] "SMT Vertical RJ12"
  rect 8.8x4.5 smd: 0(0,8.003)
  rect 0.76x5 smd: 1(3.175,-8) 2(1.905,-8) 3(0.635,-8) 4(-0.635,-8) 5(-1.905,-8) 6(-3.175,-8)
  silkscreen extent -6.61,-8.03 6.61,10.78, body extent -6.6,-9.54 6.61,9.94, height 12.87
DPAK [mil]
  rect 62x103 smd: 1(-90,-273)
  rect 214x220 smd: 2(0,0)
  rect 62x104 smd: 3(90,-273)
  silkscreen extent -140,-341 140,120, body extent -130,-291 129,91, height 91
"Fiducial - Double sided" [mm] "Double sided"
  round 1.25 smd paste-1.524 mask+1: 0(0,0)
  round 1.25 smd far side paste-1.524 mask+1: 0(0,0)
  Keep-Out Layer circle w1: c0,0 r1
"LED - 1206 Blue" [mm]
  rect 1.5x1.5 smd: 1(-1.75,0) 2(1.75,0)
  silkscreen extent -2.82,-1.07 3.12,1.07, body extent -1.58,-0.8 1.64,0.8, height 1.1
"LED - 1206 Green" [mil]
  rect 78x70 smd: 1(-62.5,0) 2(62.5,0)
  silkscreen extent -14,-32 113,32, body extent -63,-31 63,31, height 43
"LED - 1206 Red" [mil]
  rect 78x70 smd: 1(-62.5,0) 2(62.5,0)
  silkscreen extent -14,-32 113,32, body extent -63,-31 63,32, height 43
"M3 Screw - One Sided" [mm] "Back side is safe (No metal post/nuts)"
  round 3 hole 3 unplated: ""(0,0)
  Top Layer keep-out circle w0.152: c0,0 r3.2
  Bottom Layer keep-out circle w0.152: c0,0 r1.9
  silkscreen extent -2.8,-2.8 2.8,2.8
"M4 Screw - One Sided" [mm] "Back side is safe (No metal post/nuts)"
  round 4 hole 4 unplated: ""(0,0)
  Top Layer keep-out circle w0.152: c0,0 r4.4
  Bottom Layer keep-out circle w0.152: c0,0 r2.4
  silkscreen extent -4,-4 4,4
"Net tie (7/7 mil)" [mil] "Connects 2 nets together, 7 mil trace"
  oval 14x7 smd paste-20 mask-20: 1(3.5,0) 2(-3.5,0)
"Net tie (7/35 mil)" [mil] "Connects 2 nets together, 35 to 7 mil trace"
  oval 14x7 smd paste-20 mask-20: 1(20,0)
  round 35 smd paste-200 mask-200: 2(0,0)
"Net tie (7/50 mil)" [mil] "Connects 2 nets together, 50 to 7 mil trace"
  oval 14x7 smd paste-20 mask-20: 1(10,0)
  round 50 smd paste-200 mask-200: 2(-13,0)
R0603 [mil] "Improved footprint"
  rect 30x41 smd: 1(-28.97,0) 2(28.97,0)
  silkscreen extent -6,-24 6,24, body extent -32,-16 31,15, height 12
R0805 [mil] "SMT"
  rect 45x53 smd: 1(-36.47,0) 2(36.47,0)
  silkscreen extent -6,-30 6,30, body extent -39,-25 39,25, height 31
R1210 [mm]
  rect 1.3x2.7 smd: 1(-1.462,0) 2(1.438,0)
  silkscreen extent -0.61,-1.42 0.58,1.42, body extent -2,-1.24 2,1.24, height 1.7
R2512 [mm]
  rect 2.6x3.55 smd: 1(-2.375,0) 2(2.375,0)
  silkscreen extent -0.71,-1.85 0.69,1.85, body extent -3.2,-1.6 3.2,1.6, height 0.61
"SMA - Diode" [mm]
  rect 2.65x1.75 smd: 1(-2.15,0) 2(2.15,0)
  silkscreen extent -3.81,-1.48 3.81,1.48, body extent -2.74,-1.4 2.74,1.4, height 2.29
"SMT Test Clip" [mm]
  rect 1.6x0.8 smd: 1(0,0)
SOIC-8 [mil] "5.5x8"
  rect 70x30 smd: 1(-155,75) 2(-155,25) 3(-155,-25) 4(-155,-75) 5(155,-75) 6(155,-25) 7(155,25) 8(155,75)
  silkscreen extent -99,-100 99,100, body extent -160,-107 159,107, height 69
"SOIC-8 (3.9mm)" [mm]
  oct 0.53x1.98 smd: 1(-1.905,-2.465)
  rect 0.53x1.98 smd: 2(-0.635,-2.465) 3(0.635,-2.465) 4(1.905,-2.465) 5(1.905,2.465) 6(0.635,2.465) 7(-0.635,2.465) 8(-1.905,2.465)
  silkscreen extent -2.5,-1 2.5,1, body extent -2.5,-3 2.5,3, height 1.61
SOT23-5 [mm]
  rect 0.45x1.05 smd: 1(-0.95,-1.35) 2(0,-1.35) 3(0.95,-1.35) 4(0.95,1.35) 5(-0.95,1.35)
  silkscreen extent -1.57,-1.78 1.46,0.51, body extent -1.46,-1.42 1.46,1.42, height 1.12
SOT223 [mil] "Tab connected to center pin"
  rect 50x90 smd: 1(-90,-123.5) 2(0,-123.5) 3(90,-123.5)
  rect 150x100 smd: 2(0,118.5)
  silkscreen extent -135,-65 135,50, body extent -126,-149 130,127, height 67
"TE 796739-2" [mm]
  round 0 / inner round 0 / far side round 1.95 hole 1.3: 1(-4.76,0) 2(4.76,0)
  silkscreen extent -10.12,-4.6 9.52,7.9, body extent -10.12,-4.6 9.52,7.9, height 21.51
"TQFP-64 0.5mm Breakout Board" [mm]
  round 0 / inner round 0 / far side round 2 hole 1.02 unplated: 1(0,0) 2(0,2.54) 3(0,5.08) 4(0,7.62) 5(0,10.16) 6(0,12.7) 7(0,15.24) 8(0,17.78) 9(0,20.32) 10(0,22.86) 11(0,25.4) 12(0,27.94) 13(0,30.48) 14(0,33.02) 15(0,35.56) 16(0,38.1) 17(0,40.64) 18(0,43.18) 19(0,45.72) 20(0,48.26) 21(0,50.8) 22(0,53.34) 23(0,55.88) 24(0,58.42) 25(0,60.96) 26(0,63.5) 27(0,66.04) 28(0,68.58) 29(0,71.12) 30(0,73.66) 31(0,76.2) 32(0,78.74) 33(15.24,78.74) 34(15.24,76.2) 35(15.24,73.66) 36(15.24,71.12) 37(15.24,68.58) 38(15.24,66.04) 39(15.24,63.5) 40(15.24,60.96) 41(15.24,58.42) 42(15.24,55.88) 43(15.24,53.34) 44(15.24,50.8) 45(15.24,48.26) 46(15.24,45.72) 47(15.24,43.18) 48(15.24,40.64) 49(15.24,38.1) 50(15.24,35.56) 51(15.24,33.02) 52(15.24,30.48) 53(15.24,27.94) 54(15.24,25.4) 55(15.24,22.86) 56(15.24,20.32) 57(15.24,17.78) 58(15.24,15.24) 59(15.24,12.7) 60(15.24,10.16) 61(15.24,7.62) 62(15.24,5.08) 63(15.24,2.54) 64(15.24,0)
  body extent -5.08,-5.08 20.32,83.82, height 10
Transformer [mil]
  body extent -1406,-1719 1406,1662, height 3375